# Altium PCB 滑板车模块 - 拼板.PcbDoc (part 6 of 8) (continued)
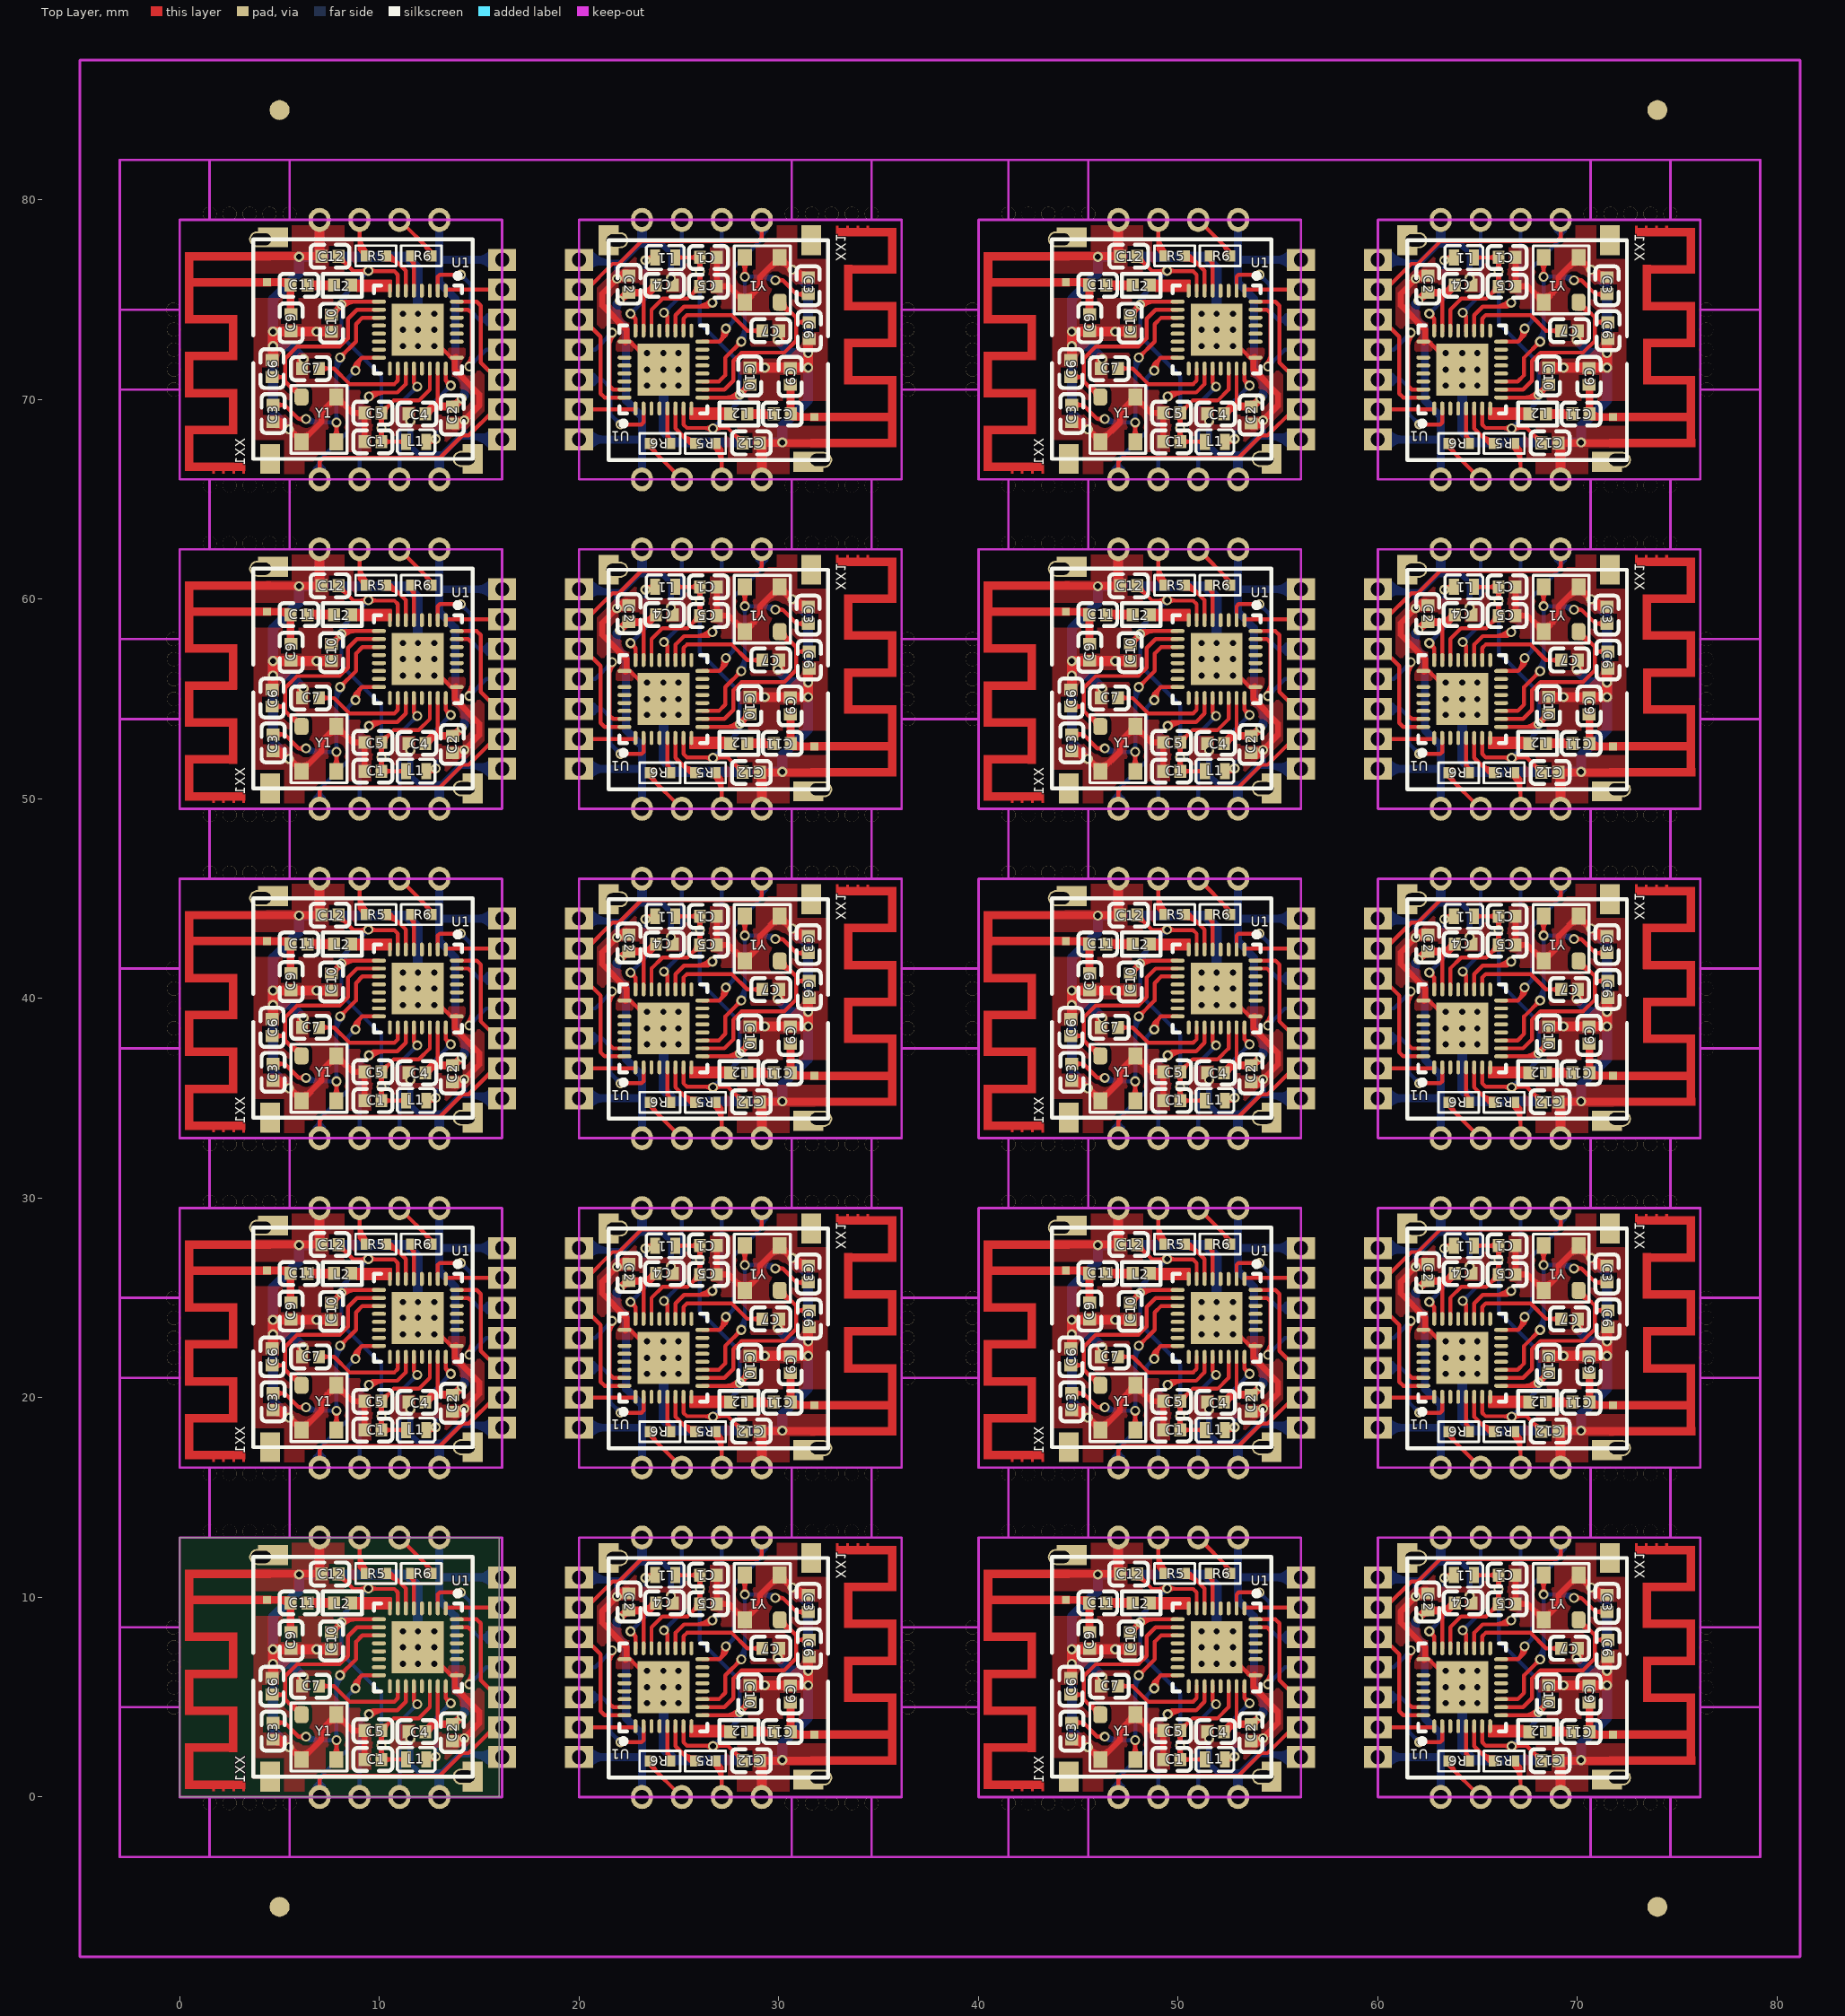
[diagram p0: Top Layer view]
## Nets (pads, with @x,y where several pads share a name; then routed paths per layer and width w, separated by ;. In a path a pad name is that pad's centre, name@x,y a point inside that pad or via, vN(x,y) a via of type N, cw(c..) or ccw(c..) an arc to the next point about the centre after c; other vN are vias at no path point) (continued)
TOUCH: 
TXD: R5.1 U1.6 | length 70.4
  Top Layer w0.2: R5.1@10.333,11.021 cw(c10.333,10.003) 11.052,10.723 ; R5.1@10.333,11.2 10.575,11.2 11.325,10.45 U1.6@11.325,9.45 ; R5.1@10.333,11.221 cw(c10.333,10.686) 10.711,11.064 ; R5.1@10.333,27.521 cw(c10.333,26.503) 11.052,27.223 ; R5.1@10.333,27.7 10.575,27.7 11.325,26.95 U1.6@11.325,25.95 ; R5.1@10.333,27.721 cw(c10.333,27.186) 10.711,27.564 ; R5.1@10.333,44.021 cw(c10.333,43.003) 11.052,43.723 ; R5.1@10.333,44.2 10.575,44.2 11.325,43.45 U1.6@11.325,42.45 ; R5.1@10.333,44.221 cw(c10.333,43.686) 10.711,44.064 ; R5.1@10.333,60.521 cw(c10.333,59.503) 11.052,60.223 ; R5.1@10.333,60.7 10.575,60.7 11.325,59.95 U1.6@11.325,58.95 ; R5.1@10.333,60.721 cw(c10.333,60.186) 10.711,60.564 ; R5.1@10.333,77.021 cw(c10.333,76.003) 11.052,76.723 ; R5.1@10.333,77.2 10.575,77.2 11.325,76.45 U1.6@11.325,75.45 ; R5.1@10.333,77.221 cw(c10.333,76.686) 10.711,77.064 ; U1.6@24.825,3.55 24.825,2.55 25.575,1.8 R5.1@25.817,1.8 ; U1.6@24.825,20.05 24.825,19.05 25.575,18.3 R5.1@25.817,18.3 ; U1.6@24.825,36.55 24.825,35.55 25.575,34.8 R5.1@25.817,34.8 ; U1.6@24.825,53.05 24.825,52.05 25.575,51.3 R5.1@25.817,51.3 ; U1.6@24.825,69.55 24.825,68.55 25.575,67.8 R5.1@25.817,67.8 ; 25.098,2.277 ccw(c25.817,2.997) R5.1@25.817,1.979 ; 25.098,18.777 ccw(c25.817,19.497) R5.1@25.817,18.479 ; 25.098,35.277 ccw(c25.817,35.997) R5.1@25.817,34.979 ; 25.098,51.777 ccw(c25.817,52.497) R5.1@25.817,51.479 ; 25.098,68.277 ccw(c25.817,68.997) R5.1@25.817,67.979 ; 25.439,1.936 ccw(c25.817,2.314) R5.1@25.817,1.779 ; 25.439,18.436 ccw(c25.817,18.814) R5.1@25.817,18.279 ; 25.439,34.936 ccw(c25.817,35.314) R5.1@25.817,34.779 ; 25.439,51.436 ccw(c25.817,51.814) R5.1@25.817,51.279 ; 25.439,67.936 ccw(c25.817,68.314) R5.1@25.817,67.779 ; R5.1@50.333,11.021 cw(c50.333,10.003) 51.052,10.723 ; R5.1@50.333,11.2 50.575,11.2 51.325,10.45 U1.6@51.325,9.45 ; R5.1@50.333,11.221 cw(c50.333,10.686) 50.711,11.064 ; R5.1@50.333,27.521 cw(c50.333,26.503) 51.052,27.223 ; R5.1@50.333,27.7 50.575,27.7 51.325,26.95 U1.6@51.325,25.95 ; R5.1@50.333,27.721 cw(c50.333,27.186) 50.711,27.564 ; R5.1@50.333,44.021 cw(c50.333,43.003) 51.052,43.723 ; R5.1@50.333,44.2 50.575,44.2 51.325,43.45 U1.6@51.325,42.45 ; R5.1@50.333,44.221 cw(c50.333,43.686) 50.711,44.064 ; R5.1@50.333,60.521 cw(c50.333,59.503) 51.052,60.223 ; R5.1@50.333,60.7 50.575,60.7 51.325,59.95 U1.6@51.325,58.95 ; R5.1@50.333,60.721 cw(c50.333,60.186) 50.711,60.564 ; R5.1@50.333,77.021 cw(c50.333,76.003) 51.052,76.723 ; R5.1@50.333,77.2 50.575,77.2 51.325,76.45 U1.6@51.325,75.45 ; R5.1@50.333,77.221 cw(c50.333,76.686) 50.711,77.064 ; U1.6@64.825,3.55 64.825,2.55 65.575,1.8 R5.1@65.817,1.8 ; U1.6@64.825,20.05 64.825,19.05 65.575,18.3 R5.1@65.817,18.3 ; U1.6@64.825,36.55 64.825,35.55 65.575,34.8 R5.1@65.817,34.8 ; U1.6@64.825,53.05 64.825,52.05 65.575,51.3 R5.1@65.817,51.3 ; U1.6@64.825,69.55 64.825,68.55 65.575,67.8 R5.1@65.817,67.8 ; 65.098,2.277 ccw(c65.817,2.997) R5.1@65.817,1.979 ; 65.098,18.777 ccw(c65.817,19.497) R5.1@65.817,18.479 ; 65.098,35.277 ccw(c65.817,35.997) R5.1@65.817,34.979 ; 65.098,51.777 ccw(c65.817,52.497) R5.1@65.817,51.479 ; 65.098,68.277 ccw(c65.817,68.997) R5.1@65.817,67.979 ; 65.439,1.936 ccw(c65.817,2.314) R5.1@65.817,1.779 ; 65.439,18.436 ccw(c65.817,18.814) R5.1@65.817,18.279 ; 65.439,34.936 ccw(c65.817,35.314) R5.1@65.817,34.779 ; 65.439,51.436 ccw(c65.817,51.814) R5.1@65.817,51.279 ; 65.439,67.936 ccw(c65.817,68.314) R5.1@65.817,67.779
UART1_RXD: P1.2 R6.2 | length 61.5
  Top Layer w0.2: P1.2@11,13 12.608,11.392 R6.2@12.608,11.2 ; P1.2@11,29.5 12.608,27.892 R6.2@12.608,27.7 ; P1.2@11,46 12.608,44.392 R6.2@12.608,44.2 ; P1.2@11,62.5 12.608,60.892 R6.2@12.608,60.7 ; P1.2@11,79 12.608,77.392 R6.2@12.608,77.2 ; 12.227,11.773 cw(c11.68,11.225) R6.2@12.454,11.225 ; 12.227,28.273 cw(c11.68,27.725) R6.2@12.454,27.725 ; 12.227,44.773 cw(c11.68,44.225) R6.2@12.454,44.225 ; 12.227,61.273 cw(c11.68,60.725) R6.2@12.454,60.725 ; 12.227,77.773 cw(c11.68,77.225) R6.2@12.454,77.225 ; R6.2@23.542,1.8 23.542,1.608 P1.2@25.15,0 ; R6.2@23.542,18.3 23.542,18.108 P1.2@25.15,16.5 ; R6.2@23.542,34.8 23.542,34.608 P1.2@25.15,33 ; R6.2@23.542,51.3 23.542,51.108 P1.2@25.15,49.5 ; R6.2@23.542,67.8 23.542,67.608 P1.2@25.15,66 ; R6.2@23.696,1.775 ccw(c24.47,1.775) 23.923,1.227 ; R6.2@23.696,18.275 ccw(c24.47,18.275) 23.923,17.727 ; R6.2@23.696,34.775 ccw(c24.47,34.775) 23.923,34.227 ; R6.2@23.696,51.275 ccw(c24.47,51.275) 23.923,50.727 ; R6.2@23.696,67.775 ccw(c24.47,67.775) 23.923,67.227 ; P1.2@51,13 52.608,11.392 R6.2@52.608,11.2 ; P1.2@51,29.5 52.608,27.892 R6.2@52.608,27.7 ; P1.2@51,46 52.608,44.392 R6.2@52.608,44.2 ; P1.2@51,62.5 52.608,60.892 R6.2@52.608,60.7 ; P1.2@51,79 52.608,77.392 R6.2@52.608,77.2 ; 52.227,11.773 cw(c51.68,11.225) R6.2@52.454,11.225 ; 52.227,28.273 cw(c51.68,27.725) R6.2@52.454,27.725 ; 52.227,44.773 cw(c51.68,44.225) R6.2@52.454,44.225 ; 52.227,61.273 cw(c51.68,60.725) R6.2@52.454,60.725 ; 52.227,77.773 cw(c51.68,77.225) R6.2@52.454,77.225 ; R6.2@63.542,1.8 63.542,1.608 P1.2@65.15,0 ; R6.2@63.542,18.3 63.542,18.108 P1.2@65.15,16.5 ; R6.2@63.542,34.8 63.542,34.608 P1.2@65.15,33 ; R6.2@63.542,51.3 63.542,51.108 P1.2@65.15,49.5 ; R6.2@63.542,67.8 63.542,67.608 P1.2@65.15,66 ; R6.2@63.696,1.775 ccw(c64.47,1.775) 63.923,1.227 ; R6.2@63.696,18.275 ccw(c64.47,18.275) 63.923,17.727 ; R6.2@63.696,34.775 ccw(c64.47,34.775) 63.923,34.227 ; R6.2@63.696,51.275 ccw(c64.47,51.275) 63.923,50.727 ; R6.2@63.696,67.775 ccw(c64.47,67.775) 63.923,67.227
UART1_TXD: P1.3 R5.2 | length 88.4
  Top Layer w0.2: 9,11.88 ccw(c9.971,11.88) R5.2@9.284,11.193 ; 9,12.363 ccw(c10.454,12.363) R5.2@9.426,11.334 ; P1.3@9,13 9,11.517 R5.2@9.317,11.2 ; 9,28.38 ccw(c9.971,28.38) R5.2@9.284,27.693 ; 9,28.863 ccw(c10.454,28.863) R5.2@9.426,27.834 ; P1.3@9,29.5 9,28.017 R5.2@9.317,27.7 ; 9,44.88 ccw(c9.971,44.88) R5.2@9.284,44.193 ; 9,45.363 ccw(c10.454,45.363) R5.2@9.426,44.334 ; P1.3@9,46 9,44.517 R5.2@9.317,44.2 ; 9,61.38 ccw(c9.971,61.38) R5.2@9.284,60.693 ; 9,61.863 ccw(c10.454,61.863) R5.2@9.426,60.834 ; P1.3@9,62.5 9,61.017 R5.2@9.317,60.7 ; 9,77.88 ccw(c9.971,77.88) R5.2@9.284,77.193 ; 9,78.363 ccw(c10.454,78.363) R5.2@9.426,77.334 ; P1.3@9,79 9,77.517 R5.2@9.317,77.2 ; 9.011,11.506 ccw(c9.317,11.813) R5.2@9.317,11.379 ; 9.011,28.006 ccw(c9.317,28.313) R5.2@9.317,27.879 ; 9.011,44.506 ccw(c9.317,44.813) R5.2@9.317,44.379 ; 9.011,61.006 ccw(c9.317,61.313) R5.2@9.317,60.879 ; 9.011,77.506 ccw(c9.317,77.813) R5.2@9.317,77.379 ; R5.2@9.072,11.445 cw(c8.853,11.225) R5.2@9.163,11.225 ; R5.2@9.072,27.945 cw(c8.853,27.725) R5.2@9.163,27.725 ; R5.2@9.072,44.445 cw(c8.853,44.225) R5.2@9.163,44.225 ; R5.2@9.072,60.945 cw(c8.853,60.725) R5.2@9.163,60.725 ; R5.2@9.072,77.445 cw(c8.853,77.225) R5.2@9.163,77.225 ; R5.2@26.724,1.666 cw(c25.696,0.637) 27.15,0.637 ; R5.2@26.724,18.166 cw(c25.696,17.137) 27.15,17.137 ; R5.2@26.724,34.666 cw(c25.696,33.637) 27.15,33.637 ; R5.2@26.724,51.166 cw(c25.696,50.137) 27.15,50.137 ; R5.2@26.724,67.666 cw(c25.696,66.637) 27.15,66.637 ; R5.2@26.833,1.621 cw(c26.833,1.187) 27.139,1.494 ; R5.2@26.833,1.8 27.15,1.483 P1.3@27.15,0 ; R5.2@26.833,18.121 cw(c26.833,17.687) 27.139,17.994 ; R5.2@26.833,18.3 27.15,17.983 P1.3@27.15,16.5 ; R5.2@26.833,34.621 cw(c26.833,34.187) 27.139,34.494 ; R5.2@26.833,34.8 27.15,34.483 P1.3@27.15,33 ; R5.2@26.833,51.121 cw(c26.833,50.687) 27.139,50.994 ; R5.2@26.833,51.3 27.15,50.983 P1.3@27.15,49.5 ; R5.2@26.833,67.621 cw(c26.833,67.187) 27.139,67.494 ; R5.2@26.833,67.8 27.15,67.483 P1.3@27.15,66 ; R5.2@26.866,1.807 cw(c26.179,1.12) 27.15,1.12 ; R5.2@26.866,18.307 cw(c26.179,17.62) 27.15,17.62 ; R5.2@26.866,34.807 cw(c26.179,34.12) 27.15,34.12 ; R5.2@26.866,51.307 cw(c26.179,50.62) 27.15,50.62 ; R5.2@26.866,67.807 cw(c26.179,67.12) 27.15,67.12 ; R5.2@26.987,1.775 ccw(c27.297,1.775) R5.2@27.078,1.555 ; R5.2@26.987,18.275 ccw(c27.297,18.275) R5.2@27.078,18.055 ; R5.2@26.987,34.775 ccw(c27.297,34.775) R5.2@27.078,34.555 ; R5.2@26.987,51.275 ccw(c27.297,51.275) R5.2@27.078,51.055 ; R5.2@26.987,67.775 ccw(c27.297,67.775) R5.2@27.078,67.555 ; 49,11.88 ccw(c49.971,11.88) R5.2@49.284,11.193 ; 49,12.363 ccw(c50.454,12.363) R5.2@49.426,11.334 ; P1.3@49,13 49,11.517 R5.2@49.317,11.2 ; 49,28.38 ccw(c49.971,28.38) R5.2@49.284,27.693 ; 49,28.863 ccw(c50.454,28.863) R5.2@49.426,27.834 ; P1.3@49,29.5 49,28.017 R5.2@49.317,27.7 ; 49,44.88 ccw(c49.971,44.88) R5.2@49.284,44.193 ; 49,45.363 ccw(c50.454,45.363) R5.2@49.426,44.334 ; P1.3@49,46 49,44.517 R5.2@49.317,44.2 ; 49,61.38 ccw(c49.971,61.38) R5.2@49.284,60.693 ; 49,61.863 ccw(c50.454,61.863) R5.2@49.426,60.834 ; P1.3@49,62.5 49,61.017 R5.2@49.317,60.7 ; 49,77.88 ccw(c49.971,77.88) R5.2@49.284,77.193 ; 49,78.363 ccw(c50.454,78.363) R5.2@49.426,77.334 ; P1.3@49,79 49,77.517 R5.2@49.317,77.2 ; 49.011,11.506 ccw(c49.317,11.813) R5.2@49.317,11.379 ; 49.011,28.006 ccw(c49.317,28.313) R5.2@49.317,27.879 ; 49.011,44.506 ccw(c49.317,44.813) R5.2@49.317,44.379 ; 49.011,61.006 ccw(c49.317,61.313) R5.2@49.317,60.879 ; 49.011,77.506 ccw(c49.317,77.813) R5.2@49.317,77.379 ; R5.2@49.072,11.445 cw(c48.853,11.225) R5.2@49.163,11.225 ; R5.2@49.072,27.945 cw(c48.853,27.725) R5.2@49.163,27.725 ; R5.2@49.072,44.445 cw(c48.853,44.225) R5.2@49.163,44.225 ; R5.2@49.072,60.945 cw(c48.853,60.725) R5.2@49.163,60.725 ; R5.2@49.072,77.445 cw(c48.853,77.225) R5.2@49.163,77.225 ; R5.2@66.724,1.666 cw(c65.696,0.637) 67.15,0.637 ; R5.2@66.724,18.166 cw(c65.696,17.137) 67.15,17.137 ; R5.2@66.724,34.666 cw(c65.696,33.637) 67.15,33.637 ; R5.2@66.724,51.166 cw(c65.696,50.137) 67.15,50.137 ; R5.2@66.724,67.666 cw(c65.696,66.637) 67.15,66.637 ; R5.2@66.833,1.621 cw(c66.833,1.187) 67.139,1.494 ; R5.2@66.833,1.8 67.15,1.483 P1.3@67.15,0 ; R5.2@66.833,18.121 cw(c66.833,17.687) 67.139,17.994 ; R5.2@66.833,18.3 67.15,17.983 P1.3@67.15,16.5 ; R5.2@66.833,34.621 cw(c66.833,34.187) 67.139,34.494 ; R5.2@66.833,34.8 67.15,34.483 P1.3@67.15,33 ; R5.2@66.833,51.121 cw(c66.833,50.687) 67.139,50.994 ; R5.2@66.833,51.3 67.15,50.983 P1.3@67.15,49.5 ; R5.2@66.833,67.621 cw(c66.833,67.187) 67.139,67.494 ; R5.2@66.833,67.8 67.15,67.483 P1.3@67.15,66 ; R5.2@66.866,1.807 cw(c66.179,1.12) 67.15,1.12 ; R5.2@66.866,18.307 cw(c66.179,17.62) 67.15,17.62 ; R5.2@66.866,34.807 cw(c66.179,34.12) 67.15,34.12 ; R5.2@66.866,51.307 cw(c66.179,50.62) 67.15,50.62 ; R5.2@66.866,67.807 cw(c66.179,67.12) 67.15,67.12 ; R5.2@66.987,1.775 ccw(c67.297,1.775) R5.2@67.078,1.555 ; R5.2@66.987,18.275 ccw(c67.297,18.275) R5.2@67.078,18.055 ; R5.2@66.987,34.775 ccw(c67.297,34.775) R5.2@67.078,34.555 ; R5.2@66.987,51.275 ccw(c67.297,51.275) R5.2@67.078,51.055 ; R5.2@66.987,67.775 ccw(c67.297,67.775) R5.2@67.078,67.555
UART2_RXD: P2.3 U1.19 | length 188.7
  Top Layer w0.2: v1@9.44,4.185 cw(c9.838,3.787) 9.838,4.35 ; v1@9.44,20.685 cw(c9.838,20.287) 9.838,20.85 ; v1@9.44,37.185 cw(c9.838,36.787) 9.838,37.35 ; v1@9.44,53.685 cw(c9.838,53.287) 9.838,53.85 ; v1@9.44,70.185 cw(c9.838,69.787) 9.838,70.35 ; v1(9.475,4.15) 9.675,4.35 ; v1(9.475,20.65) 9.675,20.85 ; v1(9.475,37.15) 9.675,37.35 ; v1(9.475,53.65) 9.675,53.85 ; v1(9.475,70.15) 9.675,70.35 ; v1@9.503,4.297 ccw(c9.539,4.486) 9.675,4.35 ; v1@9.503,20.797 ccw(c9.539,20.986) 9.675,20.85 ; v1@9.503,37.297 ccw(c9.539,37.486) 9.675,37.35 ; v1@9.503,53.797 ccw(c9.539,53.986) 9.675,53.85 ; v1@9.503,70.297 ccw(c9.539,70.486) 9.675,70.35 ; v1@9.581,4.044 cw(c10.32,3.305) 10.32,4.35 ; v1@9.581,20.544 cw(c10.32,19.805) 10.32,20.85 ; v1@9.581,37.044 cw(c10.32,36.305) 10.32,37.35 ; v1@9.581,53.544 cw(c10.32,52.805) 10.32,53.85 ; v1@9.581,70.044 cw(c10.32,69.305) 10.32,70.35 ; v1@9.622,4.178 cw(c9.811,4.214) 9.675,4.35 ; v1@9.622,20.678 cw(c9.811,20.714) 9.675,20.85 ; v1@9.622,37.178 cw(c9.811,37.214) 9.675,37.35 ; v1@9.622,53.678 cw(c9.811,53.714) 9.675,53.85 ; v1@9.622,70.178 cw(c9.811,70.214) 9.675,70.35 ; U1.19@11.325,5.55 11.325,4.775 10.9,4.35 9.675,4.35 ; U1.19@11.325,22.05 11.325,21.275 10.9,20.85 9.675,20.85 ; U1.19@11.325,38.55 11.325,37.775 10.9,37.35 9.675,37.35 ; U1.19@11.325,55.05 11.325,54.275 10.9,53.85 9.675,53.85 ; U1.19@11.325,71.55 11.325,70.775 10.9,70.35 9.675,70.35 ; U1.19@24.825,7.45 24.825,8.225 25.25,8.65 26.475,8.65 ; U1.19@24.825,23.95 24.825,24.725 25.25,25.15 26.475,25.15 ; U1.19@24.825,40.45 24.825,41.225 25.25,41.65 26.475,41.65 ; U1.19@24.825,56.95 24.825,57.725 25.25,58.15 26.475,58.15 ; U1.19@24.825,73.45 24.825,74.225 25.25,74.65 26.475,74.65 ; 25.83,8.65 ccw(c25.83,9.695) v1@26.569,8.956 ; 25.83,25.15 ccw(c25.83,26.195) v1@26.569,25.456 ; 25.83,41.65 ccw(c25.83,42.695) v1@26.569,41.956 ; 25.83,58.15 ccw(c25.83,59.195) v1@26.569,58.456 ; 25.83,74.65 ccw(c25.83,75.695) v1@26.569,74.956 ; 26.312,8.65 ccw(c26.312,9.213) v1@26.71,8.815 ; 26.312,25.15 ccw(c26.312,25.713) v1@26.71,25.315 ; 26.312,41.65 ccw(c26.312,42.213) v1@26.71,41.815 ; 26.312,58.15 ccw(c26.312,58.713) v1@26.71,58.315 ; 26.312,74.65 ccw(c26.312,75.213) v1@26.71,74.815 ; v1@26.528,8.822 cw(c26.339,8.786) 26.475,8.65 ; v1@26.528,25.322 cw(c26.339,25.286) 26.475,25.15 ; v1@26.528,41.822 cw(c26.339,41.786) 26.475,41.65 ; v1@26.528,58.322 cw(c26.339,58.286) 26.475,58.15 ; v1@26.528,74.822 cw(c26.339,74.786) 26.475,74.65 ; v1@26.647,8.703 ccw(c26.611,8.514) 26.475,8.65 ; v1@26.647,25.203 ccw(c26.611,25.014) 26.475,25.15 ; v1@26.647,41.703 ccw(c26.611,41.514) 26.475,41.65 ; v1@26.647,58.203 ccw(c26.611,58.014) 26.475,58.15 ; v1@26.647,74.703 ccw(c26.611,74.514) 26.475,74.65 ; v1(26.675,8.85) 26.475,8.65 ; v1(26.675,25.35) 26.475,25.15 ; v1(26.675,41.85) 26.475,41.65 ; v1(26.675,58.35) 26.475,58.15 ; v1(26.675,74.85) 26.475,74.65 ; v1@49.44,4.185 cw(c49.838,3.787) 49.838,4.35 ; v1@49.44,20.685 cw(c49.838,20.287) 49.838,20.85 ; v1@49.44,37.185 cw(c49.838,36.787) 49.838,37.35 ; v1@49.44,53.685 cw(c49.838,53.287) 49.838,53.85 ; v1@49.44,70.185 cw(c49.838,69.787) 49.838,70.35 ; v1(49.475,4.15) 49.675,4.35 ; v1(49.475,20.65) 49.675,20.85 ; v1(49.475,37.15) 49.675,37.35 ; v1(49.475,53.65) 49.675,53.85 ; v1(49.475,70.15) 49.675,70.35 ; v1@49.503,4.297 ccw(c49.539,4.486) 49.675,4.35 ; v1@49.503,20.797 ccw(c49.539,20.986) 49.675,20.85 ; v1@49.503,37.297 ccw(c49.539,37.486) 49.675,37.35 ; v1@49.503,53.797 ccw(c49.539,53.986) 49.675,53.85 ; v1@49.503,70.297 ccw(c49.539,70.486) 49.675,70.35 ; v1@49.581,4.044 cw(c50.32,3.305) 50.32,4.35 ; v1@49.581,20.544 cw(c50.32,19.805) 50.32,20.85 ; v1@49.581,37.044 cw(c50.32,36.305) 50.32,37.35 ; v1@49.581,53.544 cw(c50.32,52.805) 50.32,53.85 ; v1@49.581,70.044 cw(c50.32,69.305) 50.32,70.35 ; v1@49.622,4.178 cw(c49.811,4.214) 49.675,4.35 ; v1@49.622,20.678 cw(c49.811,20.714) 49.675,20.85 ; v1@49.622,37.178 cw(c49.811,37.214) 49.675,37.35 ; v1@49.622,53.678 cw(c49.811,53.714) 49.675,53.85 ; v1@49.622,70.178 cw(c49.811,70.214) 49.675,70.35 ; U1.19@51.325,5.55 51.325,4.775 50.9,4.35 49.675,4.35 ; U1.19@51.325,22.05 51.325,21.275 50.9,20.85 49.675,20.85 ; U1.19@51.325,38.55 51.325,37.775 50.9,37.35 49.675,37.35 ; U1.19@51.325,55.05 51.325,54.275 50.9,53.85 49.675,53.85 ; U1.19@51.325,71.55 51.325,70.775 50.9,70.35 49.675,70.35 ; U1.19@64.825,7.45 64.825,8.225 65.25,8.65 66.475,8.65 ; U1.19@64.825,23.95 64.825,24.725 65.25,25.15 66.475,25.15 ; U1.19@64.825,40.45 64.825,41.225 65.25,41.65 66.475,41.65 ; U1.19@64.825,56.95 64.825,57.725 65.25,58.15 66.475,58.15 ; U1.19@64.825,73.45 64.825,74.225 65.25,74.65 66.475,74.65 ; 65.83,8.65 ccw(c65.83,9.695) v1@66.569,8.956 ; 65.83,25.15 ccw(c65.83,26.195) v1@66.569,25.456 ; 65.83,41.65 ccw(c65.83,42.695) v1@66.569,41.956 ; 65.83,58.15 ccw(c65.83,59.195) v1@66.569,58.456 ; 65.83,74.65 ccw(c65.83,75.695) v1@66.569,74.956 ; 66.312,8.65 ccw(c66.312,9.213) v1@66.71,8.815 ; 66.312,25.15 ccw(c66.312,25.713) v1@66.71,25.315 ; 66.312,41.65 ccw(c66.312,42.213) v1@66.71,41.815 ; 66.312,58.15 ccw(c66.312,58.713) v1@66.71,58.315 ; 66.312,74.65 ccw(c66.312,75.213) v1@66.71,74.815 ; v1@66.528,8.822 cw(c66.339,8.786) 66.475,8.65 ; v1@66.528,25.322 cw(c66.339,25.286) 66.475,25.15 ; v1@66.528,41.822 cw(c66.339,41.786) 66.475,41.65 ; v1@66.528,58.322 cw(c66.339,58.286) 66.475,58.15 ; v1@66.528,74.822 cw(c66.339,74.786) 66.475,74.65 ; v1@66.647,8.703 ccw(c66.611,8.514) 66.475,8.65 ; v1@66.647,25.203 ccw(c66.611,25.014) 66.475,25.15 ; v1@66.647,41.703 ccw(c66.611,41.514) 66.475,41.65 ; v1@66.647,58.203 ccw(c66.611,58.014) 66.475,58.15 ; v1@66.647,74.703 ccw(c66.611,74.514) 66.475,74.65 ; v1(66.675,8.85) 66.475,8.65 ; v1(66.675,25.35) 66.475,25.15 ; v1(66.675,41.85) 66.475,41.65 ; v1(66.675,58.35) 66.475,58.15 ; v1(66.675,74.85) 66.475,74.65
  Bottom Layer w0.2: P2.3@9,0 9,3.675 v1(9.475,4.15) ; P2.3@9,16.5 9,20.175 v1(9.475,20.65) ; P2.3@9,33 9,36.675 v1(9.475,37.15) ; P2.3@9,49.5 9,53.175 v1(9.475,53.65) ; P2.3@9,66 9,69.675 v1(9.475,70.15) ; v1@9.325,4.15 cw(c8.963,4.15) 9.219,3.894 cw(c9.475,3.638) v1@9.475,4 ; v1@9.325,20.65 cw(c8.963,20.65) 9.219,20.394 cw(c9.475,20.138) v1@9.475,20.5 ; v1@9.325,37.15 cw(c8.963,37.15) 9.219,36.894 cw(c9.475,36.638) v1@9.475,37 ; v1@9.325,53.65 cw(c8.963,53.65) 9.219,53.394 cw(c9.475,53.138) v1@9.475,53.5 ; v1@9.325,70.15 cw(c8.963,70.15) 9.219,69.894 cw(c9.475,69.638) v1@9.475,70 ; v1(26.675,8.85) 27.15,9.325 P2.3@27.15,13 ; v1@26.675,9 ccw(c26.675,9.362) 26.931,9.106 ccw(c27.187,8.85) v1@26.825,8.85 ; v1(26.675,25.35) 27.15,25.825 P2.3@27.15,29.5 ; v1@26.675,25.5 ccw(c26.675,25.862) 26.931,25.606 ccw(c27.187,25.35) v1@26.825,25.35 ; v1(26.675,41.85) 27.15,42.325 P2.3@27.15,46 ; v1@26.675,42 ccw(c26.675,42.362) 26.931,42.106 ccw(c27.187,41.85) v1@26.825,41.85 ; v1(26.675,58.35) 27.15,58.825 P2.3@27.15,62.5 ; v1@26.675,58.5 ccw(c26.675,58.862) 26.931,58.606 ccw(c27.187,58.35) v1@26.825,58.35 ; v1(26.675,74.85) 27.15,75.325 P2.3@27.15,79 ; v1@26.675,75 ccw(c26.675,75.362) 26.931,75.106 ccw(c27.187,74.85) v1@26.825,74.85 ; P2.3@49,0 49,3.675 v1(49.475,4.15) ; P2.3@49,16.5 49,20.175 v1(49.475,20.65) ; P2.3@49,33 49,36.675 v1(49.475,37.15) ; P2.3@49,49.5 49,53.175 v1(49.475,53.65) ; P2.3@49,66 49,69.675 v1(49.475,70.15) ; v1@49.325,4.15 cw(c48.963,4.15) 49.219,3.894 cw(c49.475,3.638) v1@49.475,4 ; v1@49.325,20.65 cw(c48.963,20.65) 49.219,20.394 cw(c49.475,20.138) v1@49.475,20.5 ; v1@49.325,37.15 cw(c48.963,37.15) 49.219,36.894 cw(c49.475,36.638) v1@49.475,37 ; v1@49.325,53.65 cw(c48.963,53.65) 49.219,53.394 cw(c49.475,53.138) v1@49.475,53.5 ; v1@49.325,70.15 cw(c48.963,70.15) 49.219,69.894 cw(c49.475,69.638) v1@49.475,70 ; v1(66.675,8.85) 67.15,9.325 P2.3@67.15,13 ; v1@66.675,9 ccw(c66.675,9.362) 66.931,9.106 ccw(c67.187,8.85) v1@66.825,8.85 ; v1(66.675,25.35) 67.15,25.825 P2.3@67.15,29.5 ; v1@66.675,25.5 ccw(c66.675,25.862) 66.931,25.606 ccw(c67.187,25.35) v1@66.825,25.35 ; v1(66.675,41.85) 67.15,42.325 P2.3@67.15,46 ; v1@66.675,42 ccw(c66.675,42.362) 66.931,42.106 ccw(c67.187,41.85) v1@66.825,41.85 ; v1(66.675,58.35) 67.15,58.825 P2.3@67.15,62.5 ; v1@66.675,58.5 ccw(c66.675,58.862) 66.931,58.606 ccw(c67.187,58.35) v1@66.825,58.35 ; v1(66.675,74.85) 67.15,75.325 P2.3@67.15,79 ; v1@66.675,75 ccw(c66.675,75.362) 66.931,75.106 ccw(c67.187,74.85) v1@66.825,74.85
UART2_TXD: P2.2 U1.20 | length 131.3
  Top Layer w0.2: U1.20@11.725,5.55 11.725,4.825 v1(11.9,4.65) ; U1.20@11.725,22.05 11.725,21.325 v1(11.9,21.15) ; U1.20@11.725,38.55 11.725,37.825 v1(11.9,37.65) ; U1.20@11.725,55.05 11.725,54.325 v1(11.9,54.15) ; U1.20@11.725,71.55 11.725,70.825 v1(11.9,70.65) ; v1(24.25,8.35) 24.425,8.175 U1.20@24.425,7.45 ; v1(24.25,24.85) 24.425,24.675 U1.20@24.425,23.95 ; v1(24.25,41.35) 24.425,41.175 U1.20@24.425,40.45 ; v1(24.25,57.85) 24.425,57.675 U1.20@24.425,56.95 ; v1(24.25,74.35) 24.425,74.175 U1.20@24.425,73.45 ; U1.20@51.725,5.55 51.725,4.825 v1(51.9,4.65) ; U1.20@51.725,22.05 51.725,21.325 v1(51.9,21.15) ; U1.20@51.725,38.55 51.725,37.825 v1(51.9,37.65) ; U1.20@51.725,55.05 51.725,54.325 v1(51.9,54.15) ; U1.20@51.725,71.55 51.725,70.825 v1(51.9,70.65) ; v1(64.25,8.35) 64.425,8.175 U1.20@64.425,7.45 ; v1(64.25,24.85) 64.425,24.675 U1.20@64.425,23.95 ; v1(64.25,41.35) 64.425,41.175 U1.20@64.425,40.45 ; v1(64.25,57.85) 64.425,57.675 U1.20@64.425,56.95 ; v1(64.25,74.35) 64.425,74.175 U1.20@64.425,73.45
  Bottom Layer w0.2: P2.2@11,0 11,3.75 v1(11.9,4.65) ; P2.2@11,16.5 11,20.25 v1(11.9,21.15) ; P2.2@11,33 11,36.75 v1(11.9,37.65) ; P2.2@11,49.5 11,53.25 v1(11.9,54.15) ; P2.2@11,66 11,69.75 v1(11.9,70.65) ; v1@11.75,4.65 cw(c11.388,4.65) 11.644,4.394 cw(c11.9,4.138) v1@11.9,4.5 ; v1@11.75,21.15 cw(c11.388,21.15) 11.644,20.894 cw(c11.9,20.638) v1@11.9,21 ; v1@11.75,37.65 cw(c11.388,37.65) 11.644,37.394 cw(c11.9,37.138) v1@11.9,37.5 ; v1@11.75,54.15 cw(c11.388,54.15) 11.644,53.894 cw(c11.9,53.638) v1@11.9,54 ; v1@11.75,70.65 cw(c11.388,70.65) 11.644,70.394 cw(c11.9,70.138) v1@11.9,70.5 ; v1(24.25,8.35) 25.15,9.25 P2.2@25.15,13 ; v1@24.25,8.5 ccw(c24.25,8.862) 24.506,8.606 ccw(c24.762,8.35) v1@24.4,8.35 ; v1(24.25,24.85) 25.15,25.75 P2.2@25.15,29.5 ; v1@24.25,25 ccw(c24.25,25.362) 24.506,25.106 ccw(c24.762,24.85) v1@24.4,24.85 ; v1(24.25,41.35) 25.15,42.25 P2.2@25.15,46 ; v1@24.25,41.5 ccw(c24.25,41.862) 24.506,41.606 ccw(c24.762,41.35) v1@24.4,41.35 ; v1(24.25,57.85) 25.15,58.75 P2.2@25.15,62.5 ; v1@24.25,58 ccw(c24.25,58.362) 24.506,58.106 ccw(c24.762,57.85) v1@24.4,57.85 ; v1(24.25,74.35) 25.15,75.25 P2.2@25.15,79 ; v1@24.25,74.5 ccw(c24.25,74.862) 24.506,74.606 ccw(c24.762,74.35) v1@24.4,74.35 ; P2.2@51,0 51,3.75 v1(51.9,4.65) ; P2.2@51,16.5 51,20.25 v1(51.9,21.15) ; P2.2@51,33 51,36.75 v1(51.9,37.65) ; P2.2@51,49.5 51,53.25 v1(51.9,54.15) ; P2.2@51,66 51,69.75 v1(51.9,70.65) ; v1@51.75,4.65 cw(c51.388,4.65) 51.644,4.394 cw(c51.9,4.138) v1@51.9,4.5 ; v1@51.75,21.15 cw(c51.388,21.15) 51.644,20.894 cw(c51.9,20.638) v1@51.9,21 ; v1@51.75,37.65 cw(c51.388,37.65) 51.644,37.394 cw(c51.9,37.138) v1@51.9,37.5 ; v1@51.75,54.15 cw(c51.388,54.15) 51.644,53.894 cw(c51.9,53.638) v1@51.9,54 ; v1@51.75,70.65 cw(c51.388,70.65) 51.644,70.394 cw(c51.9,70.138) v1@51.9,70.5 ; v1(64.25,8.35) 65.15,9.25 P2.2@65.15,13 ; v1@64.25,8.5 ccw(c64.25,8.862) 64.506,8.606 ccw(c64.762,8.35) v1@64.4,8.35 ; v1(64.25,24.85) 65.15,25.75 P2.2@65.15,29.5 ; v1@64.25,25 ccw(c64.25,25.362) 64.506,25.106 ccw(c64.762,24.85) v1@64.4,24.85 ; v1(64.25,41.35) 65.15,42.25 P2.2@65.15,46 ; v1@64.25,41.5 ccw(c64.25,41.862) 64.506,41.606 ccw(c64.762,41.35) v1@64.4,41.35 ; v1(64.25,57.85) 65.15,58.75 P2.2@65.15,62.5 ; v1@64.25,58 ccw(c64.25,58.362) 64.506,58.106 ccw(c64.762,57.85) v1@64.4,57.85 ; v1(64.25,74.35) 65.15,75.25 P2.2@65.15,79 ; v1@64.25,74.5 ccw(c64.25,74.862) 64.506,74.606 ccw(c64.762,74.35) v1@64.4,74.35